# KiCad board poly_kb_wave_left2.kicad_pcb (continued)
## Routing (per net, layer and track width the routed paths; a pad name or vN(x,y) marks a point on that pad's centre or on a via; arc(x,y) is an arc through that point) (continued)
VDD: length 1331
  Top w0.229: 164.32,108.31 164.3,108.29 C21.1 ; 164.78,107.1 165.01,106.87 165.01,105.23 C23.1 164.73,103.46 C26.1 ; 164.78,107.1 164.55,107.33 C21.1 ; 164.78,107.1 165.17,107.1 v3(165.23,107.16) ; C21.1 C22.1 ; C26.1 164.04,103.52 v3(164.04,103.95) ; C26.1 163.55,102.28 C18.1 162.39,101.71 161.54,101.71 v3(161.48,101.76) ; 159.35,105.42 159.4,105.38 ; 159.05,108.31 158.94,108.2 158.94,103.82 C17.1 159.17,102.96 v3(159.17,102.9) ; 161.53,108.31 161.54,108.32 161.54,108.84
  Top w0.25: v2(163.96,113.89) 163.97,113.88 164.42,113.88 165.28,114.75 v2(165.28,115.76) 152.15,115.76 v1(148.49,112.1)
  Top w0.254: 158.94,105.48 158.96,105.46 C19.1
  Top w0.3: 162.89,81.5 162.95,81.55 162.95,85.3 ; J39.11 163.95,86.99 163.94,86.98 161.45,86.98 161.45,86.99 J39.6 ; 156.69,108.31 C24.1 ; v2(164.89,81) 164.89,81.5 ; v2(146.79,93.1) 146.79,87.7 v4(146.89,87.6) ; 162.95,85.3 J39.9 ; 162.95,85.3 v2(163.29,85.3) ; v2(76.39,22.05) 84.64,22.05 v2(85.19,22.6) 85.19,25.6 v2(93.59,34) ; C20.1 160.9,108.31
  Top w0.5: v1(148.49,112.1) 152.29,108.31 166.1,108.31 169,105.4 v1(171.09,105.4) ; 180.39,94.79 180.39,85.4 176.49,81.5 v1(160.69,81.5) ; 180.39,94.79 180.28,94.68 U3.4 ; 180.39,94.79 180.39,102 ; 180.39,102 180.39,107.56 180.05,107.9 v1(177.55,107.9) 177.09,107.9 ; 180.39,102 178.22,102 U2.1 178.28,102 178.35,101.94
  Top w0.6: R14.2 176.81,109.38 C5.1 ; R14.2 175.03,109.33 C6.1 174.49,108.79 174.49,105.6 v1(174.39,105.5) ; R14.2 176.76,108.69 v1(177.55,107.9)
  Bottom w0.229: U10.10 164.64,103.35 v3(164.04,103.95) ; v2(159.55,108.8) U10.44 U10.43 U10.42 ; v2(159.55,108.8) 159.55,108.78 ; v2(159.55,108.8) 159.55,108.85 159.19,109.2 157.96,109.2 C9.1 ; 161.55,108.83 v2(161.55,108.8) U10.49 U10.48 ; v3(161.48,101.76) 161.55,101.7 U10.22 ; U10.33 158.8,103.35 159.17,102.97 v3(159.17,102.9) ; U10.1 165.19,107.12 v3(165.23,107.16)
  Bottom w0.25: R20.1 165.3,115.76 v2(165.28,115.76) ; U9.8 163.85,113.78 v2(163.96,113.89)
  Bottom w0.254: C3_16.1 51.29,76.61 ; U17.5 53.19,124.5 ; 32.39,122.9 32.34,122.85 U13.5 ; 128.99,32.19 127.59,31.6 R1_34.1 ; 30.69,95.66 30.6,95.76 U4.16 ; R1_28.1 157.69,47 159.2,47.39 ; U12.5 49.29,123.31
  Bottom w0.3: 74.2,120.13 74.2,120.72 C3_4.1 73.31,121.62 73.18,121.62 72.87,121.93 72.87,122.87 74.2,124.2 U19.5 ; 74.2,120.13 75.74,118.59 78.78,118.59 79.69,119.51 80.81,119.51 ; 74.2,120.13 72.42,120.13 ; J20.7 118.85,76.71 118.91,76.64 ; R1_34.1 111.8,33.67 111.77,33.71 ; C3_33.1 74.2,44.52 74.2,43.93 ; 18.9,95.69 18.93,95.66 23.79,95.66 ; 18.9,95.69 18.84,95.76 J8.7 ; 18.9,95.69 17.78,95.69 16.86,94.78 13.83,94.78 12.29,96.32 12.29,96.91 C3_8.1 ; J28.7 140.93,51.83 140.98,51.76 ; 18.9,114.74 17.78,114.74 16.86,113.83 13.83,113.83 12.29,115.37 ; 18.9,114.74 18.93,114.71 R1_1.1 35.45,114.71 36.1,115.37 ; 18.9,114.74 18.84,114.81 J1.7 ; J26.7 99.8,60.04 99.86,59.98 ; J9.7 42.65,95.76 42.71,95.69 ; R1_5.1 107.19,117.1 ; 107.19,117.1 111.17,117.1 C3_6.1 112.3,115.96 112.3,115.37 113.84,113.83 116.88,113.83 117.79,114.74 118.91,114.74 ; 107.19,117.1 99.89,117.1 99.86,117.13 ; 128.89,123.06 144.39,123.06 U24.5 145.59,122.8 ; 128.89,123.06 128.89,122.6 U22.5 ; 128.89,123.06 126.1,123.06 ; C3_29.1 159.4,47.95 159.2,47.39 160.12,45.42 162.96,44.38 164.14,44.93 165.19,44.55 ; J31.7 42.65,38.61 42.71,38.54 ; J13.7 118.85,95.76 118.91,95.69 ; 55.15,41.55 56.69,40.01 59.73,40.01 60.64,40.93 61.76,40.93 ; 55.15,41.55 55.15,42.14 C3_32.1 ; 55.15,41.55 52.12,38.51 R1_31.1 42.74,38.51 42.71,38.54 ; 42.71,57.59 41.59,57.59 40.68,56.68 37.64,56.68 36.1,58.22 ; 42.71,57.59 42.74,57.56 R1_23.1 52.12,57.56 55.15,60.6 ; 42.71,57.59 42.65,57.66 J23.7 ; C3_25.1 74.2,63.57 74.2,62.98 ; J16.7 42.65,76.71 42.71,76.64 ; 61.76,40.93 61.79,40.9 R1_32.1 70.39,40.9 72.29,42.8 73.08,42.8 74.2,43.93 ; 61.76,40.93 61.7,40.99 J32.7 ; J15.7 18.84,76.71 18.9,76.64 ; 137.96,114.74 137.9,114.81 J7.7 ; 137.96,114.74 137.99,114.71 R1_7.1 145.88,114.71 v1(148.49,112.1) 148.49,117.64 145.59,120.54 145.59,122.8 ; 137.96,114.74 136.84,114.74 135.93,113.83 132.89,113.83 131.35,115.37 ; 111.77,33.71 110.66,33.8 109.67,32.97 106.65,33.23 105.25,34.9 105.3,35.49 C3_34.1 105.04,35.88 104.02,36.9 95.29,36.9 94.39,37.8 ; 111.77,33.71 111.72,33.77 J34.7 ; 23.79,95.66 23.79,92.02 26.35,89.46 26.35,83.94 27.87,82.43 30.13,82.43 30.64,82.94 U5.16 ; 23.79,95.66 R1_8.1 35.45,95.66 36.1,96.32 ; 137.96,95.69 136.84,95.69 135.93,94.78 132.89,94.78 131.35,96.32 ; 137.96,95.69 137.99,95.66 R1_14.1 145.83,95.14 146.7,94.27 146.7,93.2 v2(146.79,93.1) ; 137.96,95.69 137.9,95.76 J14.7 ; R1_29.1 165.21,44.51 165.19,44.55 ; 80.81,62.36 80.84,62.33 R1_25.1 92.12,62.33 C3_26.1 93.25,61.19 93.25,60.6 94.79,59.06 97.83,59.06 98.74,59.98 99.86,59.98 ; 80.81,62.36 80.75,62.42 J25.7 ; 80.81,62.36 79.69,62.36 78.78,61.44 75.74,61.44 74.2,62.98 ; 18.9,57.59 18.93,57.56 R1_22.1 29.79,57.56 ; 18.9,57.59 17.78,57.59 16.86,56.68 13.83,56.68 12.29,58.22 12.29,58.81 C3_22.1 ; 18.9,57.59 18.84,57.66 J22.7 ; C3_11.1 74.2,101.67 74.2,101.08 ; 118.91,114.74 118.85,114.81 J6.7 ; 118.91,114.74 118.94,114.71 R1_6.1 130.7,114.71 131.35,115.37 ; 131.35,77.27 131.35,77.86 C3_21.1 ; 131.35,77.27 132.89,75.73 135.93,75.73 136.84,76.64 137.96,76.64 ; 131.35,77.27 131.29,77.2 129.79,77.2 129.21,76.61 R1_20.1 118.94,76.61 118.91,76.64 ; J36.7 157.07,23.97 157.1,23.89 ; 23.66,38.54 23.6,38.61 J30.7 ; 23.66,38.54 22.54,38.54 21.63,37.63 18.59,37.63 17.05,39.17 17.05,39.76 C3_30.1 16.77,40.43 15.99,41.2 12.15,41.2 12.15,41.2 10.7,41.2 10.39,41.5 10.39,43.97 DBG3.9 ; 23.66,38.54 23.69,38.51 R1_30.1 35.45,38.51 36.1,39.17 ; 80.81,119.51 80.84,119.48 R1_4.1 89.69,118.46 89.69,117.15 90.68,116.17 92.07,116.17 92.68,116.78 92.75,116.78 92.99,116.54 94.29,116.54 94.62,116.21 97.83,116.21 98.74,117.13 99.86,117.13 ; 80.81,119.51 80.75,119.57 J4.7 ; 145.59,122.8 145.59,123.26 146.34,124.01 147.29,124.01 147.99,123.3 U25.5 ; C3_2.1 36.1,115.96 36.1,115.37 ; 126.1,123.06 126.1,123.6 123.59,126.1 110.79,126.1 ; 126.1,123.06 U23.5 ; 80.81,81.41 79.69,81.41 78.78,80.49 75.74,80.49 74.2,82.03 ; 80.81,81.41 80.75,81.47 J18.7 ; 80.81,81.41 80.84,81.38 R1_18.1 92.12,81.38 C3_19.1 93.25,80.24 93.25,79.65 94.79,78.11 97.83,78.11 98.74,79.03 99.86,79.03 ; 74.2,101.08 75.74,99.54 78.78,99.54 79.69,100.46 80.81,100.46 ; 74.2,101.08 71.17,98.05 R1_10.1 61.79,98.05 61.76,98.08 ; 80.81,43.31 79.69,43.31 78.78,42.39 75.74,42.39 74.2,43.93 ; 80.81,43.31 80.75,43.37 80.75,44.07 ; 80.81,43.31 80.84,43.28 R1_33.1 88.92,43.28 94.39,37.8 ; L2.2 176.46,109.34 174.59,111.2 174.59,116.15 171.64,119.1 171.64,121.91 D1.2 ; 42.71,114.74 41.59,114.74 40.68,113.83 37.64,113.83 36.1,115.37 ; 42.71,114.74 42.74,114.71 R1_2.1 51.71,114.71 54.74,117.75 55.15,117.75 ; 42.71,114.74 42.65,114.81 J2.7 ; 29.79,57.56 30.59,57.56 ; 29.79,57.56 29.79,62.4 30.6,63.21 U6.16 ; 30.59,57.56 35.45,57.56 36.1,58.22 ; 30.59,57.56 30.6,57.57 ; 55.15,79.65 56.69,78.11 59.73,78.11 60.64,79.03 61.76,79.03 ; 55.15,79.65 54.44,79.65 51.41,76.61 R1_16.1 42.74,76.61 42.71,76.64 ; 55.15,79.65 54.89,79.65 54.87,79.67 C3_17.1 ; 55.15,60.6 55.15,61.19 C3_24.1 ; 55.15,60.6 56.69,59.06 59.73,59.06 60.64,59.98 61.76,59.98 ; 61.76,117.13 61.7,117.19 J3.7 ; 61.76,117.13 61.79,117.1 R1_3.1 70.49,117.1 71.39,118 71.39,119.1 72.42,120.13 ; 61.76,117.13 60.64,117.13 59.73,116.21 56.69,116.21 55.15,117.75 ; 74.2,82.03 73.89,82.03 73.89,82.88 C3_18.1 ; 74.2,82.03 73.52,82.03 70.49,79 R1_17.1 61.79,79 61.76,79.03 ; 36.1,96.32 37.64,94.78 40.68,94.78 41.59,95.69 42.71,95.69 ; 36.1,96.32 36.1,96.91 C3_9.1 ; U14.5 28.49,122.9 32.39,122.9 32.8,123.31 49.8,123.31 50.99,124.5 U16.5 69.19,123.91 69.19,123.55 71.32,121.42 71.32,121.23 72.42,120.13 ; J11.7 80.75,100.52 80.81,100.46 ; 42.71,76.64 41.59,76.64 40.68,75.73 36.12,75.73 33.39,73 29.09,73 27.49,74.6 27.49,75.89 R1_15.1 18.93,76.61 18.9,76.64 ; C32.2 165.95,85.34 165.99,85.3 ; 55.15,98.7 56.69,97.16 59.73,97.16 60.64,98.08 61.76,98.08 ; 55.15,98.7 55.15,99.29 C3_10.1 ; 55.15,98.7 55.06,98.6 54.39,98.6 51.46,95.66 R1_9.1 42.74,95.66 42.71,95.69 ; J29.7 165.15,44.63 165.19,44.55 ; 99.86,98.08 98.74,98.08 97.83,97.16 94.79,97.16 93.25,98.7 93.25,99.29 C3_12.1 92.12,100.43 R1_11.1 80.84,100.43 80.81,100.46 ; 99.86,98.08 99.8,98.14 J12.7 ; 99.86,98.08 99.89,98.05 R1_12.1 111.17,98.05 C3_13.1 112.3,96.91 112.3,96.32 113.84,94.78 116.88,94.78 117.79,95.69 118.91,95.69 ; 61.76,98.08 61.7,98.14 J10.7 ; J19.7 99.8,79.09 99.86,79.03 ; 36.1,39.17 37.64,37.63 40.68,37.63 41.59,38.54 42.71,38.54 ; 36.1,39.17 36.1,39.76 C3_31.1 ; 134.7,53.9 134.84,54.48 C3_28.1 ; 134.7,53.9 135.84,52.05 138.78,51.34 139.89,52.02 140.98,51.76 ; 134.7,53.9 128.69,55.5 R1_27.1 118.94,57.56 118.91,57.59 ; J17.7 61.7,79.09 61.76,79.03 ; 110.79,126.1 107.89,126.1 107.14,125.35 U21.5 ; 110.79,126.1 U18.5 110.17,124.83 110.17,123.18 U20.5 ; 94.39,37.8 95.39,36.8 93.59,35 v2(93.59,34) ; 137.96,76.64 137.9,76.71 J21.7 ; 137.96,76.64 137.99,76.61 R1_21.1 ; U8.16 85.64,23.05 v2(85.19,22.6) ; 165.99,85.3 168.07,85.3 R3.1 R4.1 ; 165.99,85.3 v2(163.29,85.3) 162.96,85.63 C2.1 ; J27.7 118.85,57.66 118.91,57.59 ; 36.1,58.22 36.1,58.81 C3_23.1 ; 131.35,115.37 131.35,115.96 C3_7.1 130.22,117.1 ; 18.9,76.64 17.78,76.64 16.86,75.73 13.83,75.73 12.29,77.27 12.29,77.86 C3_15.1 ; 118.91,57.59 117.79,57.59 116.88,56.68 113.84,56.68 112.3,58.22 112.3,58.81 C3_27.1 111.17,59.95 R1_26.1 99.89,59.95 99.86,59.98 ; R1_35.1 135.29,30.01 135.27,30.05 ; 118.91,76.64 117.79,76.64 116.88,75.73 113.84,75.73 112.3,77.27 112.3,77.86 C3_20.1 111.17,79 R1_19.1 99.89,79 99.86,79.03 ; J37.12 164.83,80.94 v2(164.89,81) ; 157.1,23.89 157.12,23.85 R1_36.1 ; 157.1,23.89 156.05,24.27 154.88,23.72 152.03,24.76 151.11,26.73 151.31,27.29 C3_36.1 ; 74.2,62.98 71.17,59.95 R1_24.1 61.79,59.95 61.76,59.98 ; U7.16 76.84,23.05 76.39,22.6 v2(76.39,22.05) ; 135.27,30.05 135.23,30.12 J35.7 ; 135.27,30.05 134.18,30.31 133.08,29.63 130.13,30.34 128.99,32.19 129.13,32.77 C3_35.1 ; 118.91,95.69 118.94,95.66 R1_13.1 130.7,95.66 131.35,96.32 ; J24.7 61.7,60.04 61.76,59.98 ; 99.86,117.13 99.8,117.19 J5.7 ; C3_1.1 12.29,115.96 12.29,115.37 ; 12.29,115.37 6.29,109.37 U15.5 ; 131.35,96.32 131.35,96.91 C3_14.1 ; 140.98,51.76 141,51.72 R1_28.1 ; 55.15,117.75 55.15,118.34 C3_3.1
  Bottom w0.4: R1_35.1 143.82,27.89 144.57,27.89 145.53,28.85 145.53,31.59 146.87,32.93 ; 147.28,32.51 146.87,32.93 ; 147.28,32.51 147.19,32.6 ; 147.28,32.51 151.14,28.66 C3_36.1 ; 146.87,32.93 146.78,32.84
  Bottom w0.5: 150.89,81.5 v1(160.69,81.5) 153.79,81.5 ; 150.89,81.5 147.39,78 147.39,77.2 146.79,76.6 ; 150.89,81.5 146.89,85.5 v4(146.89,87.6) ; 146.79,76.6 145.84,76.6 R1_21.1 ; 146.79,76.6 152.42,70.98 J38.5 153.72,70.83 154.47,70.08 154.47,65.93 151.7,57.9 151.69,57.9 151.69,49.8 146.87,32.93 ; 176.56,108.95 L2.2 ; v1(174.39,105.5) 171.19,105.5 v1(171.09,105.4)
  Bottom w0.6: L2.2 177.55,108.75 v1(177.55,107.9)
/K_1/C1N: length 5.3
  Bottom w0.3: C6_2.2 38.19,117.3 40.64,117.3 41.65,116.3 J2.5
/K_1/C1P: length 5.9
  Bottom w0.3: J2.4 41.15,116.16 40.46,116.85 37.27,116.85 36.77,117.36 C6_2.1
/K_1/C2N: length 6.1
  Bottom w0.3: J2.3 40.65,114.71 40.27,114.34 37.88,114.34 36.77,115.45 C5_2.2
/K_1/C2P: length 4.3
  Bottom w0.3: C5_2.1 37.73,115.25 38.17,114.8 40.1,114.8 40.15,114.85 J2.2
/K_1/CS: length 46.7
  Top w0.254: v2(29.99,101.5) 33.5,101.5 35.89,103.9 51.3,103.9 v2(51.59,103.61)
  Top w0.3: v2(51.34,115.73) 50.63,116.45 43.01,116.45 v2(42.96,116.49)
  In1.Cu w0.254: v2(51.34,115.73) 51.34,103.86 v2(51.59,103.61)
  Bottom w0.254: v2(29.99,101.5) 30.1,101.61 U4.1
  Bottom w0.3: R1_2.2 v2(51.34,115.73) ; v2(42.96,116.49) 43.15,116.31 J2.8
/K_1/LED_DIN: length 17.3
  Top w0.3: 60.48,117.92 60.3,117.92 59.56,118.66 54.46,118.66 52.69,116.9 44.78,116.9 44.36,117.32
/K_1/LED_DOUT: length 21.6
  Top w0.254: 20.55,117.32 21.78,117.32 21.99,117.1 26.99,117.1 27.59,116.5 30.09,116.5 30.59,116 39.59,116 40.06,115.54 41.43,115.54
/K_1/VCOMH: length 5.2
  Bottom w0.3: J2.13 45.65,116.21 46.75,117.3 47.53,117.3 48.8,118.58 48.8,118.99
/K_2/C1N: length 5.3
  Bottom w0.3: J3.5 60.7,118.68 59.69,119.69 57.24,119.69 C6_3.2
/K_2/C1P: length 5.9
  Bottom w0.3: C6_3.1 55.82,119.74 56.32,119.23 59.51,119.23 60.2,118.54 J3.4
/K_2/C2N: length 6.1
  Bottom w0.3: C5_3.2 55.82,117.83 56.93,116.72 59.32,116.72 59.7,117.09 J3.3
/K_2/C2P: length 4.3
  Bottom w0.3: J3.2 59.2,117.23 59.15,117.19 57.22,117.19 56.78,117.63 C5_3.1
/K_2/CS: length 68.6
  Top w0.254: v2(28.39,102.7) 28.39,104.4 30.19,106.2 33.79,106.2 35.69,104.3 53.99,104.3 56.29,106.6 67.49,106.6 71.59,110.7 v2(71.59,113.4)
  Top w0.3: v2(70.39,118.12) 69.63,118.88 v2(62.01,118.88)
  In1.Cu w0.254: v2(70.39,118.12) 70.48,118.12 71.59,117 v2(71.59,113.4)
  Bottom w0.254: v2(28.39,102.7) 28.68,102.99 U4.2
  Bottom w0.3: R1_3.2 v2(70.39,118.12) ; v2(62.01,118.88) 62.2,118.69 J3.8
/K_2/LED_DIN: length 17.1
  Top w0.3: 63.41,119.7 64.59,119.7 64.89,119.4 71.89,119.4 73.42,120.93 78.72,120.93 79.35,120.3 79.53,120.3
/K_2/VCOMH: length 5.2
  Bottom w0.3: C4_3.1 67.85,120.96 66.58,119.69 65.8,119.69 64.7,118.59 J3.13
/K_3/C1N: length 5.3
  Bottom w0.3: J4.5 79.75,121.06 78.74,122.07 76.29,122.07 C6_4.2
/K_3/C1P: length 5.9
  Bottom w0.3: J4.4 79.25,120.92 78.56,121.62 75.37,121.62 74.87,122.12 C6_4.1
/K_3/C2N: length 6.1
  Bottom w0.3: C5_4.2 74.87,120.21 75.98,119.1 78.37,119.1 78.75,119.48 J4.3
/K_3/C2P: length 4.3
  Bottom w0.3: J4.2 78.25,119.61 78.2,119.57 76.27,119.57 75.83,120.02 C5_4.1
/K_3/CS: length 78
  Top w0.254: 35.19,105.4 35.79,104.8 53.69,104.8 55.99,107.1 67.29,107.1 70.59,110.4 v2(70.59,111.4) ; 35.19,105.4 35.39,105.2 ; 35.19,105.4 33.99,106.61 30.03,106.61 27.81,104.39 v2(27.81,103.8)
  Top w0.3: v2(81.06,121.26) 88.14,121.26 v2(89.54,119.85)
  In1.Cu w0.3: v2(81.06,121.26) 78.21,118.4 75.29,118.4 72.99,116.1 72.99,112.8 71.59,111.4 v2(70.59,111.4)
  Bottom w0.254: U4.3 28.12,103.49 v2(27.81,103.8)
  Bottom w0.3: v2(81.06,121.26) 81.25,121.07 J4.8 ; R1_4.2 88.9,120.5 v2(89.54,119.85)
/K_3/LED_DIN: length 17.8
  Top w0.3: 82.46,122.08 83.16,122.08 83.49,121.75 88.54,121.75 91.43,118.86 97.46,118.86 98.4,117.92 98.58,117.92
/K_3/VCOMH: length 5.2
  Bottom w0.3: C4_4.1 86.9,123.35 85.63,122.07 84.85,122.07 83.75,120.97 J4.13
/K_4/C1N: length 5.1
  Bottom w0.3: C6_5.2 95.12,119.15 98.33,119.15 98.8,118.68 J5.5
/K_4/C1P: length 5.6
  Bottom w0.3: C6_5.1 94.48,118.24 95.15,118.24 95.58,118.68 98.17,118.68 98.3,118.54 J5.4
/K_4/C2N: length 5.3
  Bottom w0.3: 93.92,117.66 C5_5.2 94.75,116.72 97.42,116.72 97.8,117.09 J5.3
/K_4/C2P: length 3.3
  Bottom w0.3: C5_5.1 95.24,117.19 97.25,117.19 97.3,117.23 J5.2
/K_4/CS: length 114.5
  Top w0.3: v2(108.49,118.12) 107.73,118.88 v2(100.11,118.88)
  In1.Cu w0.254: v2(108.49,118.12) 108.49,118.12 v2(108.49,108.6)
  Bottom w0.254: 39.19,104.81 48.65,104.81 48.95,105.1 54.49,105.1 56.69,107.3 73.19,107.3 75.49,109.6 87.79,109.6 90.09,107.3 107.19,107.3 v2(108.49,108.6) ; 39.19,104.81 39.79,104.81 39.79,104.8 ; 39.19,104.81 37.59,104.81 31.99,110.4 28.45,110.4 27.38,109.34 27.38,105.31 28.7,103.99 U4.4
  Bottom w0.3: v2(100.11,118.88) 100.3,118.69 J5.8 ; R1_5.2 v2(108.49,118.12)
/K_4/LED_DIN: length 17.8
  Top w0.3: 101.51,119.7 101.89,119.33 109.3,119.33 110.99,117.64 115.35,117.64 117.45,115.54 117.63,115.54
/K_4/VCOMH: length 5.2
  Bottom w0.3: C4_5.1 105.95,120.96 104.68,119.69 103.9,119.69 102.8,118.59 J5.13
/K_5/C1N: length 5.3
  Bottom w0.3: J6.5 117.85,116.3 116.84,117.3 114.39,117.3 C6_6.2
/K_5/C1P: length 5.9
  Bottom w0.3: J6.4 117.35,116.16 116.66,116.85 113.47,116.85 112.97,117.36 C6_6.1
/K_5/C2N: length 6.1
  Bottom w0.3: C5_6.2 112.97,115.45 114.08,114.34 116.47,114.34 116.85,114.71 J6.3
/K_5/C2P: length 4.3
  Bottom w0.3: J6.2 116.35,114.85 116.3,114.8 114.37,114.8 113.93,115.25 C5_6.1
/K_5/CS: length 137.2
  Top w0.3: v2(119.16,116.49) 126.78,116.49 v2(127.54,115.73)
  In1.Cu w0.254: v2(127.54,115.73) 130.49,112.78 130.49,105.9 v2(129.19,104.6)
  Bottom w0.254: v2(129.19,104.6) 129.09,104.7 124.29,104.7 123.99,104.4 112.49,104.4 110.09,106.8 90.09,106.8 90,106.9 89.93,106.9 87.63,109.2 75.69,109.2 73.29,106.8 56.77,106.8 54.66,104.7 49.11,104.7 48.81,104.4 37.4,104.4 31.8,110 28.61,110 27.79,109.17 27.79,105.48 28.78,104.49 U4.5
  Bottom w0.3: J6.8 119.35,116.31 v2(119.16,116.49) ; R1_6.2 v2(127.54,115.73)
/K_5/LED_DIN: length 16.9
  Top w0.3: 120.56,117.32 120.86,117.02 135.02,117.02 136.5,115.54 136.68,115.54
/K_5/VCOMH: length 5.2
  Bottom w0.3: J6.13 121.85,116.21 122.95,117.3 123.73,117.3 125,118.58 125,118.99
/K_A/C1N: length 5.3
  Bottom w0.3: J16.5 41.65,78.2 40.64,79.2 38.19,79.2 C6_16.2
/K_A/C1P: length 5.9
  Bottom w0.3: J16.4 41.15,78.06 40.46,78.75 37.27,78.75 36.77,79.26 C6_16.1
/K_A/C2N: length 6.1
  Bottom w0.3: C5_16.2 36.77,77.35 37.88,76.24 40.27,76.24 40.65,76.61 J16.3
/K_A/C2P: length 4.3
  Bottom w0.3: C5_16.1 37.73,77.15 38.17,76.7 40.1,76.7 40.15,76.75 J16.2
/K_A/CS: length 49.5
  Top w0.254: v2(27.69,62.7) 27.83,62.7 28.42,63.3 35.34,63.3 38.13,66.09 48.87,66.09 v2(51.49,68.72)
  Top w0.3: v2(51.34,77.63) 50.58,78.39 v2(42.96,78.39)
  In2.Cu w0.254: v2(51.34,77.63) 52.19,76.78 52.19,73.2 51.49,72.5 v2(51.49,68.72)
  Bottom w0.254: U6.1 30.1,63.51 29.84,63.25 28.24,63.25 v2(27.69,62.7)
  Bottom w0.3: R1_16.2 v2(51.34,77.63) ; J16.8 43.15,78.21 v2(42.96,78.39)
/K_A/LED_DIN: length 18.1
  Top w0.3: 60.48,79.82 60.36,79.82 58.26,81.92 51.29,81.92 48.86,79.49 45.11,79.49 44.84,79.22 44.36,79.22
/K_A/LED_DOUT: length 23.5
  Top w0.254: 20.55,79.22 21.51,79.22 21.99,79.7 25.69,79.7 27.49,81.5 33.99,81.5 35.99,79.5 39.09,79.5 41.16,77.44 41.43,77.44
/K_A/VCOMH: length 5.2
  Bottom w0.3: J16.13 45.65,78.11 46.75,79.2 47.53,79.2 48.8,80.48 C4_16.1
/K_B1/C1N: length 5.5
  Bottom w0.3: C6_30.2 19.14,41.1 21.85,41.1 22.6,40.35 J30.5
/K_B1/C1P: length 5.7
  Bottom w0.3: J30.4 22.1,39.96 21.41,40.65 18.63,40.65 C6_30.1
/K_B1/C2N: length 6.1
  Bottom w0.3: C5_30.2 17.72,39.25 18.83,38.14 21.22,38.14 21.6,38.51 J30.3
/K_B1/C2P: length 4.3
  Bottom w0.3: C5_30.1 18.68,39.05 19.12,38.6 21.05,38.6 21.1,38.65 J30.2
/K_B1/CS: length 83.8
  Top w0.3: v2(85.69,19.51) 85.51,19.33 72.08,19.33 68.77,22.63 36.57,22.63 32.29,26.9 v2(32.29,32.6) ; v2(32.29,39.53) 31.53,40.29 v2(23.91,40.29)
  In1.Cu w0.3: v2(32.29,32.6) v2(32.29,39.53)
  Bottom w0.3: R1_30.2 v2(32.29,39.53) ; U8.15 88.01,21.24 86.28,19.51 v2(85.69,19.51) ; v2(23.91,40.29) 24.1,40.11 J30.8
/K_B1/LED_DIN: length 16.9
  Top w0.3: 41.43,39.34 41.25,39.34 39.79,40.8 25.64,40.8 25.31,41.12
/K_B1/VCOMH: length 5.2
  Bottom w0.3: C4_30.1 29.75,42.38 28.48,41.1 27.7,41.1 26.6,40.01 J30.13
/K_B2/C1N: length 5.3
  Bottom w0.3: J31.5 41.65,40.1 40.64,41.11 38.19,41.11 C6_31.2
/K_B2/C1P: length 5.9
  Bottom w0.3: C6_31.1 36.77,41.16 37.27,40.65 40.46,40.65 41.15,39.96 J31.4
/K_B2/C2N: length 6.1
  Bottom w0.3: C5_31.2 36.77,39.25 37.88,38.14 40.27,38.14 40.65,38.51 J31.3
/K_B2/C2P: length 4.3
  Bottom w0.3: J31.2 40.15,38.65 40.1,38.6 38.17,38.6 37.73,39.05 C5_31.1
/K_B2/CS: length 59.7
  Top w0.3: v2(84.09,25.4) 55.09,25.4 v2(52.19,28.3) ; v2(42.96,40.29) 50.58,40.29 v2(51.34,39.53)
  In1.Cu w0.3: v2(51.34,39.53) 51.34,29.15 v2(52.19,28.3)
  Bottom w0.3: v2(84.09,25.4) 86.09,25.4 87.7,23.8 U8.1 ; R1_31.2 v2(51.34,39.53) ; v2(42.96,40.29) 43.15,40.11 J31.8
/K_B2/LED_DIN: length 18.1
  Top w0.3: 60.48,41.72 60.3,41.72 58.2,43.82 51.81,43.82 49.59,41.6 44.84,41.6 44.36,41.12
/K_B2/VCOMH: length 5.2
  Bottom w0.3: C4_31.1 48.8,42.38 47.53,41.1 46.75,41.1 45.65,40.01 J31.13
/K_B3/C1N: length 5.3
  Bottom w0.3: J32.5 60.7,42.48 59.69,43.49 57.24,43.49 C6_32.2
/K_B3/C1P: length 5.7
  Bottom w0.3: C6_32.1 56.73,43.03 59.51,43.03 60.2,42.34 J32.4
/K_B3/C2N: length 6.1
  Bottom w0.3: J32.3 59.7,40.89 59.32,40.52 56.93,40.52 55.82,41.63 C5_32.2
/K_B3/C2P: length 4.3
  Bottom w0.3: J32.2 59.2,41.03 59.15,40.99 57.22,40.99 56.78,41.43 C5_32.1
/K_B3/CS: length 41.5
  Top w0.3: v2(62.01,42.68) 69.63,42.68 v2(70.39,41.92)
  In1.Cu w0.3: v2(70.39,41.92) 69.49,41.02 69.49,33.8 76.99,26.3 v2(84.29,26.3)
  Bottom w0.3: J32.8 62.2,42.49 v2(62.01,42.68) ; R1_32.2 v2(70.39,41.92) ; U8.2 88.01,24.49 86.2,26.3 v2(84.29,26.3)
/K_B3/LED_DIN: length 18.1
  Top w0.3: 63.41,43.5 63.81,43.9 67.89,43.9 70.19,46.2 77.25,46.2 79.35,44.1 79.53,44.1
/K_B3/VCOMH: length 5.2
  Bottom w0.3: J32.13 64.7,42.39 65.8,43.49 66.58,43.49 67.85,44.76 C4_32.1
/K_B4/C1N: length 5.3
  Bottom w0.3: C6_33.2 76.29,45.87 78.74,45.87 79.75,44.86 79.75,44.07
/K_B4/C1P: length 5.7
  Bottom w0.3: C6_33.1 75.78,45.42 78.56,45.42 79.25,44.72 79.25,44.07
/K_B4/C2N: length 6.1
  Bottom w0.3: C5_33.2 74.87,44.01 75.98,42.9 78.37,42.9 78.75,43.28 78.75,44.07
/K_B4/C2P: length 4.3
  Bottom w0.3: C5_33.1 75.83,43.82 76.27,43.37 78.2,43.37 78.25,43.41 78.25,44.07
/K_B4/CS: length 30.9
  Top w0.3: v2(89.44,44.3) 88.68,45.06 81.06,45.06 v2(81.05,45.04)
  In2.Cu w0.3: v2(88.49,26.2) 88.49,43.35 v2(89.44,44.3)
  Bottom w0.3: v2(88.49,26.2) 88.51,26.19 U8.3 ; v2(81.05,45.04) 81.25,44.84 81.25,44.07 ; R1_33.2 v2(89.44,44.3)
/K_B4/LED_DIN: length 36.2
  Top w0.254: 110.57,34.61 109.96,34 96.09,34 90.99,39.1 90.99,44.1 89.59,45.5 82.84,45.5 82.46,45.88
/K_B4/VCOMH: length 5.2
  Bottom w0.3: C4_33.1 86.9,47.15 85.63,45.87 84.85,45.87 83.75,44.77 83.75,44.07
/K_B5/C1N: length 5.3
  Bottom w0.3: J34.5 110.85,35.35 109.94,36.44 107.49,36.65 C6_34.2
/K_B5/C1P: length 5.9
  Bottom w0.3: C6_34.1 106.08,36.83 106.54,36.28 109.71,36 110.34,35.25 J34.4
/K_B5/C2N: length 6.1
  Bottom w0.3: J34.3 109.72,33.86 109.31,33.51 106.93,33.72 105.91,34.93 C5_34.2
/K_B5/C2P: length 4.3
  Bottom w0.3: J34.2 109.23,34.04 109.18,33.99 107.26,34.16 106.85,34.65 C5_34.1
/K_B5/CS: length 59.7
  Top w0.3: v2(112.17,35.43) 119.62,34.77 v2(120.46,33.94)
  In1.Cu w0.3: v2(118.39,20.8) 121.79,24.2 121.79,32.61 v2(120.46,33.94)
  Bottom w0.3: U8.4 89.01,25.12 89.79,25.9 97.69,25.9 104.69,18.9 116.49,18.9 v2(118.39,20.8) ; R1_34.2 v2(120.46,33.94) ; v2(112.17,35.43) 112.27,35.32 J34.8
/K_B5/LED_DIN: length 22.5
  Top w0.3: 113.64,36.13 119.9,35.58 120.59,35 126.29,34.1 128.29,34.7 132.49,33.69 134.04,31.16 134.22,31.12
/K_B5/VCOMH: length 5.2
  Bottom w0.3: J34.13 114.83,34.91 116.02,35.91 116.79,35.84 118.18,37 C4_34.1
/K_B6/C1N: length 5.3
  Bottom w0.3: J35.5 134.6,31.81 133.86,33.02 131.47,33.59 C6_35.2
/K_B6/C1P: length 5.9
  Bottom w0.3: C6_35.1 130.1,33.97 130.47,33.37 133.57,32.62 134.08,31.79 J35.4
/K_B6/C2N: length 6.1
  Bottom w0.3: J35.3 133.26,30.5 132.8,30.22 130.48,30.78 129.66,32.12 C5_35.2
/K_B6/C2P: length 4.3
  Bottom w0.3: J35.2 132.8,30.75 132.75,30.71 130.87,31.16 130.54,31.7 C5_35.1
/K_B6/CS: length 84.3
  Top w0.3: v2(135.92,31.69) 143.34,29.91 v2(143.9,28.99)
  In2.Cu w0.3: v2(143.69,14.9) 144.19,15.4 144.19,28.7 v2(143.9,28.99)
  Bottom w0.3: v2(143.69,14.9) 125.09,14.9 121.55,18.45 104.51,18.45 97.55,25.4 89.93,25.4 89.51,24.98 U8.5 ; J35.8 136.06,31.46 v2(135.92,31.69) ; R1_35.2 v2(143.9,28.99)
/K_B6/LED_DIN: length 21.3
  Top w0.3: 156.18,25.07 156,25.14 154.75,27.82 150.59,29.34 147.69,29 144.29,30 143.59,30.7 137.48,32.16
/K_B6/VCOMH: length 5.2
  Bottom w0.3: J35.13 138.47,30.78 139.79,31.59 140.55,31.41 142.09,32.36 C4_35.1
/K_B7/C1N: length 5.3
  Bottom w0.3: J36.5 156.64,25.71 156.04,27 153.73,27.84 C6_36.2
/K_B7/C1P: length 5.9
  Bottom w0.3: J36.4 156.12,25.75 155.71,26.64 152.71,27.73 152.41,28.37 C6_36.1
/K_B7/C2N: length 6.1
  Bottom w0.3: J36.3 155.16,24.56 154.67,24.34 152.43,25.15 151.76,26.58 C5_36.2
/K_B7/C2P: length 4.3
  Bottom w0.3: C5_36.1 152.59,26.07 152.86,25.49 154.67,24.84 154.73,24.86 J36.2
/K_B7/CS: length 101.5
  Top w0.3: v2(157.94,25.45) 165.1,22.84 v2(165.56,21.86) 165.56,16.86 v2(165.29,16.6)
  Bottom w0.3: v2(157.94,25.45) 158.05,25.21 J36.8 ; v2(165.29,16.6) 157.59,8.9 144.91,8.9 139.36,14.45 124.55,14.45 121.09,17.9 103.99,17.9 96.98,24.92 90.09,24.92 90.01,24.84 U8.6 ; R1_36.2 v2(165.56,21.86)
/K_B7/LED_DIN: length 50.6
  Top w0.3: 164.26,45.73 164.09,45.8 162.84,48.48 159.19,49.81 159.19,49.8 v2(154.19,49.8) ; v2(166.09,26.4) 166.09,26 165.45,25.36 160.59,25.36 159.54,25.74
  In2.Cu w0.3: v2(154.19,49.8) 154.19,33.2 158.19,29.2 161.79,29.2 164.59,26.4 v2(166.09,26.4)
/K_B7/VCOMH: length 5.1
  Bottom w0.3: J36.13 160.36,24.26 160.8,24.69 162.57,24.69 162.68,24.8 C4_36.1
/K_B8/C1N: length 5.3
  Bottom w0.3: J29.5 164.72,46.37 164.12,47.66 161.82,48.5 C6_29.2
/K_B8/C1P: length 5.9
  Bottom w0.3: J29.4 164.21,46.41 163.79,47.3 160.8,48.39 160.5,49.03 C6_29.1
/K_B8/C2N: length 6.1
  Bottom w0.3: J29.3 163.24,45.22 162.76,45 160.51,45.81 159.85,47.24 C5_29.2
/K_B8/C2P: length 4.3
  Bottom w0.3: C5_29.1 160.68,46.73 160.95,46.16 162.76,45.5 162.82,45.52 J29.2
/K_B8/CS: length 123.6
  Top w0.3: v2(173.64,42.52) 173.19,43.5 v2(166.03,46.11)
  In1.Cu w0.3: v2(168.69,19.8) v2(173.64,42.52)
  Bottom w0.3: U8.7 96.89,24.37 103.84,17.42 120.87,17.42 124.29,14 139.17,14 144.72,8.45 158,8.45 165.9,16.35 165.9,17.01 v2(168.69,19.8) ; R1_29.2 v2(173.64,42.52) ; J29.8 166.14,45.87 v2(166.03,46.11)